# Altium PCB PCB1.PcbDoc (continued)
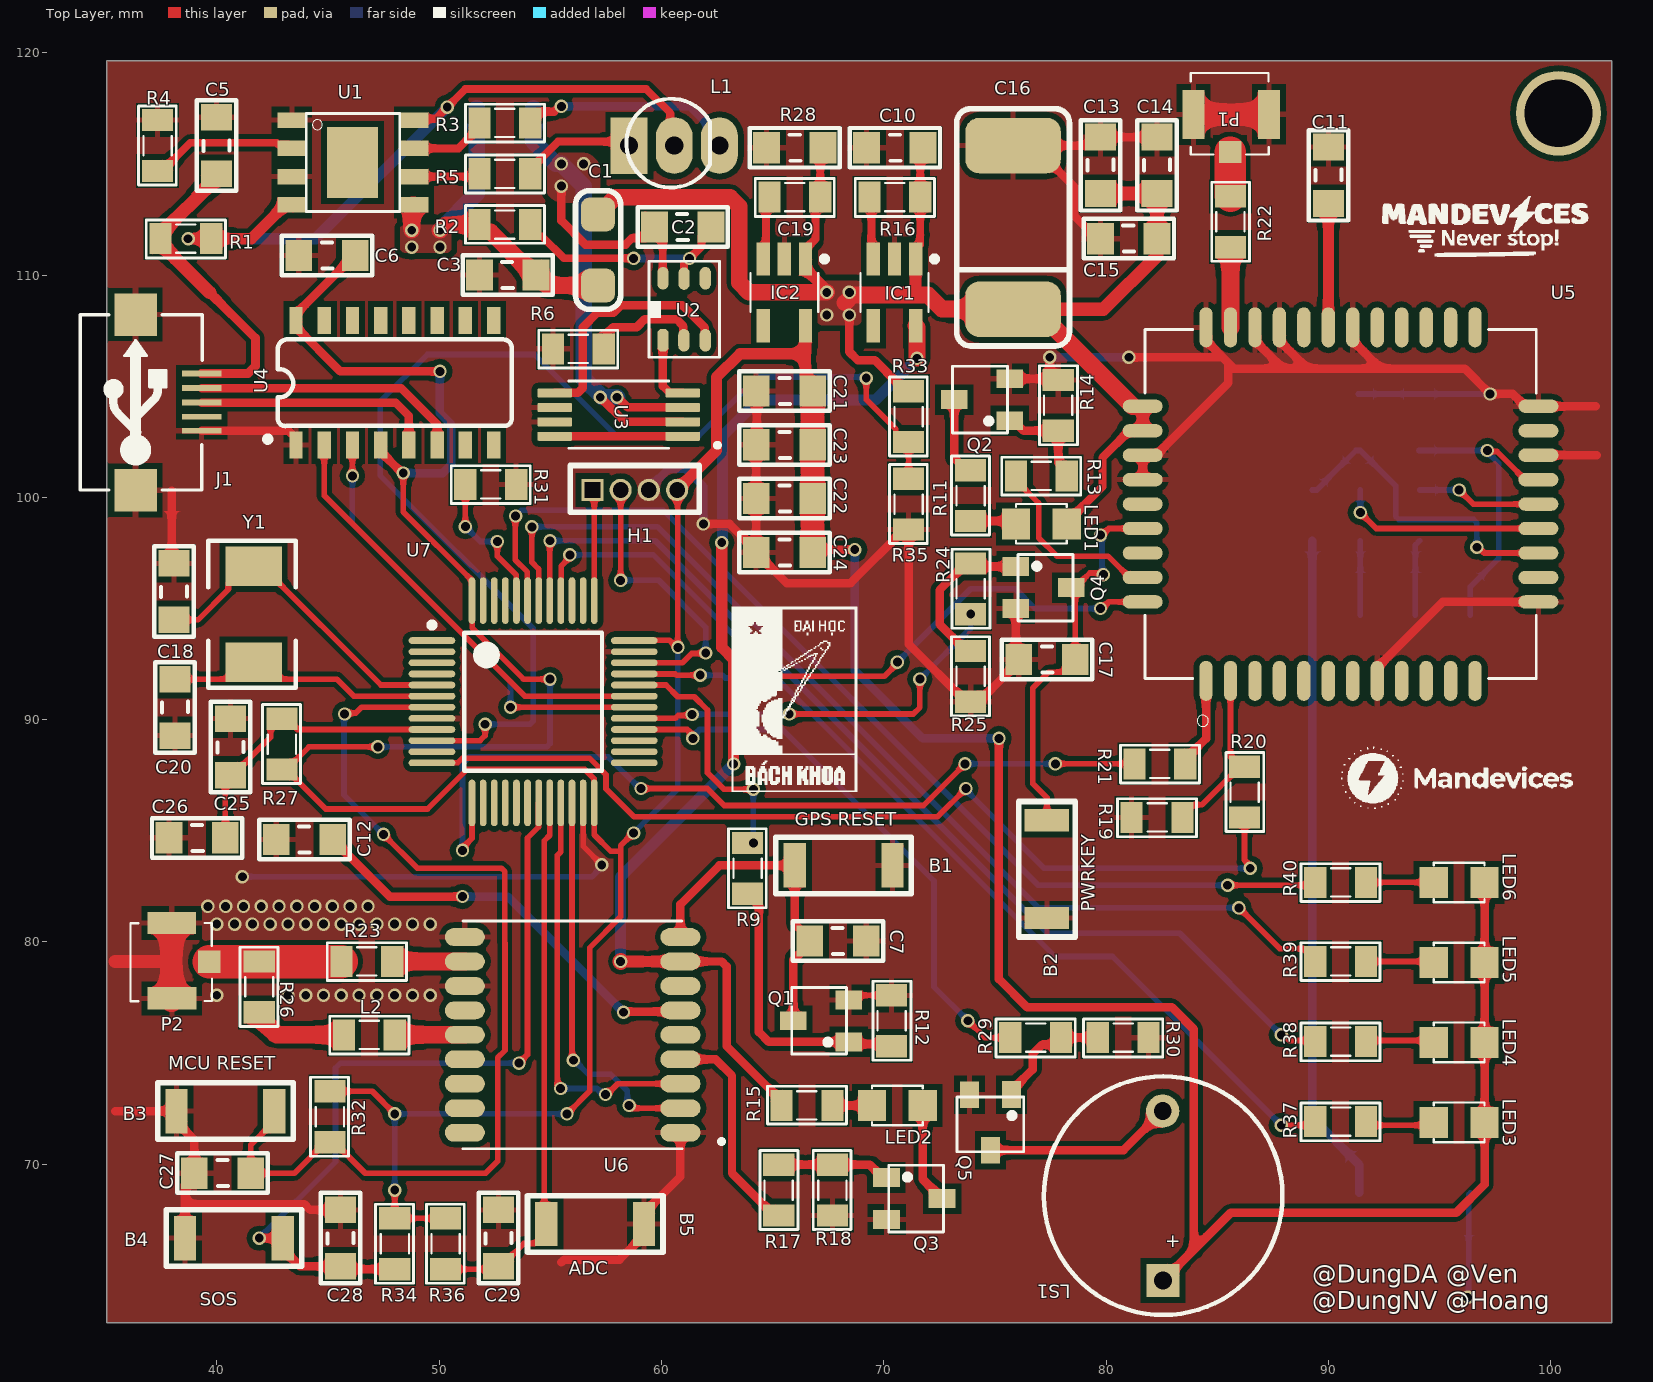
[diagram p0: Top Layer view]
## Footprints (in the part's own frame and the unit in brackets; to place one, negate y for a bottom-side part, rotate by r counter-clockwise, add the part's x,y. Pads: shape width x height; smd on the part's side, far side on the other; paste and mask are expansions set on the pad) (continued)
  rect 1.5x0.6 smd: 1(-1.5,0.95) 2(-1.5,0) 3(-1.5,-0.95) 4(1.5,-0.95) 5(1.5,0.95)
  silkscreen extent -1.62,-1.52 0.87,1.93, body extent -1.75,-1.52 1.75,1.53, height 1.45
SOT23-6 [mil]
  oct 40x20 smd: 1(-59.41,32.4)
  oval 40x20 smd: 2(-59.41,-4.6) 3(-59.41,-42.6) 4(50.59,-42.6) 5(50,-5) 6(50.59,32.4)
  silkscreen extent -89,-68 81,57, body extent -64,-64 54,54, height 51
SOT23D [mm] "SOT 23C - 1-3-2 - BCE"
  rect 0.85x1.2 smd: 1(-0.95,-1.25) 2(0.94,-1.245) 3(0,1.25)
  silkscreen extent -1.5,-1.14 1.5,1.32, body extent -1.5,-1.17 1.5,1.33, height 1.06
SPEAKER [mm]
  rect 1.5x1.5 hole 0.8: 1(0,0)
  round 1.5 hole 0.8: 2(7.62,0.013)
  silkscreen extent -1.55,-5.38 9.18,5.36, body extent -2.22,-6 13.24,6, height 4.5
"Thach Anh 2 chan SMD5032" [mil] "DO-214-AA/SMB; 2 C-Bend Leads; Body 5.3 x 3.6 mm, inc. leads (LxW)"
  rect 70x100 smd: 1(-85,0) 2(85,0)
  silkscreen extent -130,-75 130,80, body extent -98,-63 98,63, height 51
TP4056 [mm]
  rect 1.3x0.7 smd: 1(-2.75,1.905) 2(-2.75,0.635) 3(-2.75,-0.635) 4(-2.75,-1.905) 5(2.75,-1.905) 6(2.75,-0.635) 7(2.75,0.635) 8(2.75,1.905)
  rect 2.3x3.2 smd: GND(-0.025,0)
  silkscreen extent -2.1,-2.2 2.1,2.2, body extent -3.13,-2.45 2.87,2.45, height 1.75
USB-M1 [mil]
  rect 10x70 smd: 1(51.18,0) 2(25.59,0) 3(0,0) 4(-25.59,0) 5(-50,0)
  rect 74.8x74.8 smd: 5(-155.51,116.84) 5(155.51,116.84)
  silkscreen extent -155,-1 155,215, body extent -157,5 158,218, height 107
XCVR_L70-RL [mm]
  oval 1.8x0.8 smd paste-2: 1(-4.85,4.4) 2(-4.85,3.3) 3(-4.85,2.2) 4(-4.85,1.1) 5(-4.85,0) 6(-4.85,-1.1) 7(-4.85,-2.2) 8(-4.85,-3.3) 9(-4.85,-4.4) 10(4.85,-4.4) 11(4.85,-3.3) 12(4.85,-2.2) 13(4.85,-1.1) 14(4.85,0) 15(4.85,1.1) 16(4.85,2.2) 17(4.85,3.3) 18(4.85,4.4)
  silkscreen extent -6.8,-5.13 4.92,5.13, body extent -4.85,-5.05 4.85,5.05, height 2.52

## Part data
C1 C2 C3 C4 C5 C6 C7 C8 C9 C10 C11 C12 C13 C14 C15 C17 C18 C19 C20 C21 C22 C23 C24 C25 C26 C27 C28 C29: library part CapSMD, "Capacitor", LatestRevisionDate=17-Jul-2002, LatestRevisionNote="Re-released for DXP Platform.", PackageReference=RAD-0.3, Published=8-Jun-2000, Publisher="Altium Limited"
C16: library part CAP_TAN_SMD, "Polazied Tantalum Capacitor"
IC1 IC2: "RT9013-33GB IC REG LINEAR 3.3V 500mA SOT23-5"
J1: Manufacturer=FCI, Manufacturer Part Number=10118193-0001LF, Supplier Part Number 1=609-4616-1-ND, .Checked PCB=RF, .Checked SCH=MM, .Creator=MM, Category="Connectors, Interconnects", ComponentLink1Description=http://portal.fciconnect.com/Comergent//fci/drawing/10118193.pdf, ComponentLink1URL=http://portal.fciconnect.com/Comergent//fci/drawing/10118193.pdf, Connector Type="USB - micro B", Features="Shielded, Solder Retention", Gender=Receptacle, Ingress Protection=-, Mounting Type="Surface Mount, Right Angle, Horizontal", Number of Contacts=5, Packaging="Cut Tape (CT)", Pricing 1="1=0.46, 10=0.433, 25=0.3712, 50=0.3156, 100=0.3032, 250=0.27224, 500=0.25988 (USD)", RoHS="RoHS Compliant", Specifications="USB 2.0", Stock 1=28642, Supplier 1=Digi-Key
L1: library part "LED 3m 2 mau Anot chung", "C?m", Chung_Loai=C?m, Don_Vi=Con, Ma_Hang=MH005371, Ten_Linh_Kien="Led 3MM 2 M?u Anot Sáng Ð?c (5c)"
L2 R1 R2 R3 R4 R5 R6 R7 R8 R9 R10 R11 R12 R13 R14 R15 R16 R17 R18 R19 R20 R21 R22 R23 R24 R25 R26 R27 R28 R29 R30 R31 R32 R33 R34 R35 R36 R37 R38 R39 R40: library part "Resistor - SMD", "Resistor", Manufacturer="Generic Components", Class=Passive, Published=08/06/2000, Publisher="Altium Hobart Technology Centre"
LED1 LED2: "LED Single colour Green and Red"
LED3 LED4 LED5 LED6: library part LED, "LED Single colour Green and Red"
LS1: "Còi chíp 3V", LatestRevisionDate=17-Jul-2002, LatestRevisionNote="Re-released for DXP Platform.", PackageReference=PIN2, Published=24-Mar-1999, Publisher="Altium Limited"
P1 P2: library part IPXSx66, "Antenna GSM GPS"
Q1 Q2 Q3 Q4 Q5: library part 2SC1815, "NPN 600mW, ECB", =C2383
U1: "Complete single cell Li-Ion battery with a constant current / constant voltage linear charger"
U2: "One Cell Lithium-ion/Polymer Battery Protection IC"
U4: "USB to serial chip CH340", Package=Package, Availability=Unavailable, Check_prices=https://www.snapeda.com/parts/CH340C/WCH/view-part/5428851/?ref=eda, MF=WCH, MP=CH340C, Price=None, SnapEDA_Link=https://www.snapeda.com/parts/CH340C/WCH/view-part/5428851/?ref=snap
U5: "Module: GSM/Bluetooth; GPRS; 2G; 1800MHz, 900MHz; 85.6kbps; SMD", Package=None, Availability=Unavailable, MF=Simcom, MP=SIM800C, Price=None, SnapEDA_Link=https://www.snapeda.com/parts/SIM800C/SIMcom%20Wireless%20solutions%20Co.%2CLtd/view-part/571323/?ref=snap
U6: "L70-RL, a low cost ROM-based GPS module, brings the high performance of MTK positioning engine to industrial applications with its compact profile, ultra low power consumption and fast positioning capability", Package=None, Availability="Not in stock", Check_prices=https://www.snapeda.com/parts/L70-RL/Quectel/view-part/?ref=eda, MF=Quectel, MP=L70-RL, Price=None, SnapEDA_Link=https://www.snapeda.com/parts/L70-RL/Quectel/view-part/?ref=snap
U7: library part STM32F103C8T6, "STM32 ARM-based 32-bit MCU with 64 Kbytes Flash, 64-pin LQFP, Industrial Temperature"
Y1: library part "Thach Anh 2 chan SMD 5032", "Crystal For all Crystal 2pin."
SIM1: Ma_Hang=MH001823, Ten_LK="Socket SIM 6P SK06"

## Free pads (board coordinates)
  round 3.81 hole 3.048: 0(100.355,117.272)

## Via types
v1: diameter 0.6, hole 0.4, Top Layer to Bottom Layer, tented both sides, 123 vias

## Nets (pads, with @x,y where several pads share a name; then routed paths per layer and width w, separated by ;. In a path a pad name is that pad's centre, name@x,y a point inside that pad or via, vN(x,y) a via of type N, cw(c..) or ccw(c..) an arc to the next point about the centre after c; other vN are vias at no path point)
3V3: C6.2 C21.2 C22.2 C23.2 C24.2 H1.4 IC2.5 LED3.1 LED4.1 LED5.1 LED6.1 LS1.1 R27.2 R32.1 R34.1 R36.1 U4.4 U4.16 U7.24 U7.36 U7.48 | length 214.1
  Top Layer w0.254: R27.2 R27.2@43.124,87.757 ; R32.1 46.99,73.279 v1(48.006,72.263) ; v1(47.244,88.773) 44.14,88.773 R27.2@43.124,87.757 ; v1(48.006,68.834) R34.1 R36.1 ; v1(48.387,101.092) 48.387,99.347 51.479,96.255 U7.48 51.488,95.346 51.488,94.13 53.796,91.821 v1(54.991,91.821) ; v1(55.753,72.263) 56.769,73.279 56.769,79.733 58.166,81.13 58.166,84.328 58.736,84.898 v1(58.749,84.898) ; 58.122,84.074 57.726,84.074 56.979,84.821 U7.24 56.97,86.264 56.97,87.338 56.552,87.757 51.257,87.757 49.479,85.979 44.903,85.979 R27.2@43.124,87.757 ; U7.36 59.68,93.555 59.694,93.57 60.364,93.57 60.683,93.25 v1(60.75,93.25) 60.728,93.272 60.728,100.308 H1.4
  Top Layer w0.381: C6.2 46.228,110.771 45.818,110.361 45.666,110.361 43.561,108.256 U4.16 43.561,107.656 45.553,105.664 v1(50.038,105.664) ; U4.4 47.371,102.056 48.311,101.116 48.363,101.116 v1(48.387,101.092) ; C24.2 66.936,97.644 v1(68.7,97.644) ; v1(75.184,89.154) 75.184,78.328 76.453,77.059 82.961,77.059 83.947,76.073 83.947,66.154 ; LS1.1 83.947,66.154 ; LED6.1 LED5.1 LED4.1 LED3.1 97.028,69.088 95.758,67.818 85.611,67.818 83.947,66.154
  Top Layer w0.5: H1.4 62.484,102.108 62.484,105.41 63.532,106.458 66.482,106.458 ; IC2.5 66.482,106.458 ; C21.2@66.802,104.875 66.482,105.195 66.482,106.458
  Top Layer w0.75: C21.2 C21.2@66.802,104.875
  Top Layer w1: C24.2 C22.2 C23.2 C21.2
  Bottom Layer w0.254: v1(47.244,88.773) 54.842,88.773 54.991,88.922 v1(54.991,91.821) ; v1(48.006,68.834) v1(48.006,72.263) v1(55.753,72.263) ; v1(58.749,84.898) 60.739,86.889 60.739,93.239 v1(60.75,93.25)
  Bottom Layer w0.381: v1(48.387,101.092) 50.165,101.092 50.546,101.473 50.546,103.271 50.038,103.779 v1(50.038,105.664) ; v1(68.7,97.644) 68.707,97.637 68.707,92.202 71.755,89.154 v1(75.184,89.154)
3V3GPS: IC1.5 R15.2 U6.8 | length 49.8
  Top Layer w0.381: U6.8 62.713,79.119 62.937,78.896 62.937,75.311 65.405,72.842 R15.2
  Top Layer w0.5: v1@58.168,79.119 U6.8 ; v1(62.717,97.961) 62.717,93.247 63.25,92.714 v1(63.25,88)
  Top Layer w0.75: v1(58.166,79.121) v1@58.168,79.119 ; IC1.5 71.5,107.655 v1(71.5,106.25)
  Bottom Layer w0.5: v1(58.166,79.121) 58.166,82.916 v1(63.25,88) ; v1(62.717,97.961) 62.75,97.995 62.75,102.755 64.378,104.383 69.621,104.383 71.488,106.25 v1(71.5,106.25)
+5: C5.2 J1.1 R1.1 | length 14.1
  Top Layer w0.3: R1.1 R1.1@37.465,111.831 ; C5.2@39.88,114.246 39.88,114.554 C5.2
  Top Layer w0.4: J1.1@39.319,105.564 41.399,105.564 41.732,105.897 41.732,107.167 39.69,109.21
  Top Layer w0.6: R1.1 37.465,111.435 39.69,109.21 ; R1.1@37.465,111.831 C5.2@39.88,114.246
BOOT0: R31.1 U7.44 | length 6.6
  Top Layer w0.254: v1(51.181,98.679) R31.1 ; v1(52.621,98.009) 52.621,97.347 53.47,96.498 53.47,95.364 U7.44
  Bottom Layer w0.254: v1(51.181,98.679) 51.851,98.009 v1(52.621,98.009)
BUT_ADC: B5.19 C29.2 R36.2 U7.20 | length 24
  Top Layer w0.254: R36.2 52.553,65.278 C29.2 52.78,65.405 53.812,66.437 54.45,66.437 B5.19@54.823,66.81 ; B5.19 54.737,67.396 54.737,84.555 54.979,84.797 U7.20@54.979,85.979
BUT_SOS: B4.19 C28.2 R34.2 U7.19 | length 36.5
  Top Layer w0.254: v1(53.594,74.549) 53.975,74.93 53.975,84.676 54.47,85.172 54.47,86.246 U7.19
  Top Layer w0.381: v1(41.91,66.675) B4.19 42.967,66.175 43.737,65.405 C28.2 45.695,65.278 R34.2
  Bottom Layer w0.254: v1(41.91,66.675) 45.339,70.104 45.339,74.326 45.562,74.549 v1(53.594,74.549)
BUZZER: R29.1 U7.28 | length 26
  Top Layer w0.254: U7.28 61.167,89.555 61.417,89.305 v1(61.417,89.158) ; v1(73.787,76.454) 74.549,75.692 R29.1
  Bottom Layer w0.254: v1(61.417,89.158) 61.366,89.209 61.713,89.555 65.454,89.555 72.263,82.746 72.263,77.978 v1(73.787,76.454)
D_N: J1.2 U4.6 | length 12.2
  Top Layer w0.381: J1.2@39.319,104.896 48.307,104.896 49.911,103.292 U4.6
D_P: J1.3 U4.5 | length 10.9
  Top Layer w0.381: J1.3@39.319,104.261 48.044,104.261 48.641,103.664 U4.5
GND: B1.15 B2.15 B3.15 B4.15 B5.15 C3.2 C5.1 C6.1 C7.1 C8.2 C9.1 C10.1 C11.2 C12.2 C13.2 C14.2 C15.2 C16.2 C17.1 C18.1 C19.1 C20.1 C21.1 C22.1 C23.1 C24.1 C25.1 C26.1 C27.1 C28.1 C29.1 H1.3 IC1.2 IC2.2 J1.5 P1.2 P1.3 P2.2 P2.3 Q1.2 Q2.2 Q3.2 Q4.2 Q5.2 R4.1 R6.1 R12.2 R14.2 R18.2 R19.1 R25.2 R30.2 R31.2 R35.2 SIM1.1 U1.1 U1.3 U3.6 U3.7 U4.1 U5.8 U5.13 U5.19 U5.21 U5.27 U5.30 U5.31 U5.33 U5.36 U5.37 U6.1 U6.10 U6.12 U7.8 U7.23 U7.35 U7.47 | length 186.5
  Top Layer w0.25: U5.8 U5.8@92.201,92.345
  Top Layer w0.254: U7.23 56.479,84.307 v1(57.318,83.468) ; Q1.2 68.631,77.597 70.16,77.597 R12.2 ; B1.15@70.399,83.82 70.399,83.939 B1.15@70.772,84.312 ; B2.15 77.843,81.071 B2.15@78.216,81.444
  Top Layer w0.35: C19.1@64.389,115.663 64.389,115.763 C19.1@64.389,115.863 ; IC2.2@65.425,110.613 IC2.2 ; C10.1@69.23,115.625 C10.1 C10.1@69.23,115.825 ; IC1.2@70.36,110.595 IC1.2 ; C16.2@76.719,115.824 78.584,113.959 78.584,112.651 79.629,111.606 C15.2@79.629,111.506
  Top Layer w0.381: 35.433,72.39 B3.15 38.186,71.89 38.989,71.087 C27.1 38.989,69.496 38.567,69.074 38.567,68.199 ; 37.973,100.304 37.973,97.13 C18.1 ; B4.15 38.567,68.199 ; J1.5@39.319,102.994 43.223,102.994 43.561,102.656 U4.1 ; C28.1 44.196,67.945 43.942,68.199 38.567,68.199 ; C29.1 C29.1@52.78,67.945 ; 55.499,65.581 55.626,65.708 58.121,65.708 59.223,66.81 B5.15 59.223,67.81 60.857,69.444 U6.1 U6.1@61.357,71.419 ; v1(61.886,98.806) 63.067,98.806 C24.1@64.262,97.611 ; C21.1 64.29,104.747 64.29,102.39 C23.1 C22.1 C24.1@64.262,97.611 ; R18.2@67.493,67.691 R18.2 R18.2@67.889,67.691 ; Q5.2 Q5.2@73.863,73.302 ; Q2.2 R14.2@77.729,105.334 ; C16.2 76.719,115.824 79.629,115.824 80.01,116.205 C14.2 ; Q4.2 75.946,92.837 C17.1 76.073,92.61 74.578,91.115 74.224,91.115 74.013,90.904 R25.2 73.716,90.805 71.12,93.401 R35.2 70.922,98.552 68.508,96.139 65.634,96.139 64.772,97.001 64.672,97.001 64.262,97.411 C24.1 C24.1@64.262,97.611 ; B2.15@76.533,80.761 76.843,81.071 B2.15 ; v1(77.47,106.299) 77.47,105.592 R14.2@77.729,105.334 ; R14.2 R14.2@77.838,105.296 ; v1(81.026,106.299) 85.247,106.299 ; U5.37 U5.36 82.251,101.895 85.501,105.145 85.501,106.045 ; R30.2@81.915,75.494 R30.2 ; U5.33 84.501,107.045 85.247,106.299 ; U5.31 86.701,107.045 87.955,105.791 ; U5.30 87.801,107.045 89.055,105.791 ; U5.27 91.101,107.045 92.355,105.791 ; U5.8@92.201,92.345 95.151,95.295 U5.13 ; U5.19 102.067,101.895 ; 102.026,104.095 U5.21 98.851,104.095 98.298,104.648 v1(97.282,104.648) 96.139,105.791 92.355,105.791 ; R14.2@77.729,105.334 77.8,105.334 R14.2@77.838,105.296 ; R14.2@77.729,105.334 77.766,105.296 R14.2@77.838,105.296 ; 85.247,106.299 85.501,106.045 ; 85.501,106.045 85.755,105.791 87.955,105.791 ; 87.955,105.791 89.055,105.791 ; 89.055,105.791 92.355,105.791
  Top Layer w0.6: 35.433,79.121 37.876,79.121 37.965,79.032 37.968,79.03
  Top Layer w1: 37.965,79.032 P2.3@37.965,80.724 ; P2.2@37.968,77.338 37.968,79.03 ; P1.2 87.328,117.224 P1.3
  Bottom Layer w0.25: C9.1 C8.2 v1(97.282,104.648)
  Bottom Layer w0.254: v1(41.148,82.931) 56.878,82.931 57.318,83.371 v1(57.318,83.468) ; v1(96.266,64.008) 96.315,64.057 96.315,68.629 SIM1.1
  Bottom Layer w0.381: H1.3 59.436,100.396 60.315,101.275 61.097,101.275 61.886,100.486 v1(61.886,98.806) ; v1(77.47,106.299) v1(81.026,106.299)
  other v1: 40,77.6 43.2,77.6 44,77.6 44.8,77.6 45.6,77.6 46.4,77.6 47.2,77.6 48,77.6 48.8,77.6 49.6,77.6 40,80.8 40.8,80.8 41.6,80.8 42.4,80.8 43.2,80.8 44,80.8 44.8,80.8 45.6,80.8 46.4,80.8 47.2,80.8 48,80.8 48.8,80.8 49.6,80.8 39.6,81.6 40.4,81.6 41.2,81.6 42,81.6 42.8,81.6 43.6,81.6 44.4,81.6 45.2,81.6 46,81.6 46.8,81.6
GPS_RESET: B1.19 C7.2 Q1.3 U6.9 | length 14.9
  Top Layer w0.381: U6.9 60.857,81.685 62.611,83.439 B1.19 65.999,80.811 66.675,80.135 66.675,79.935 65.933,79.193 Q1.3
LIPO_ADC: R33.2 R35.1 U7.10 | length 53.2
  Top Layer w0.254: U7.10 51.844,89.055 52.07,89.281 v1(52.07,89.789) ; v1(69.215,105.362) 69.215,104.394 70.549,103.061 70.549,102.862 70.922,102.489 R33.2 R35.1
  Bottom Layer w0.254: v1(52.07,89.789) 54.08,89.789 54.229,89.938 54.229,94.107 47.349,100.987 47.349,104.305 49.47,106.426 54.296,106.426 57.972,102.75 61.676,102.75 64.336,105.41 69.167,105.41 v1(69.215,105.362)
LIPO_BATTERY: C1.2 C10.2 C13.1 C14.1 C15.1 C16.1 C19.2 IC1.1 IC2.1 LED1.1 R16.2 R28.2 R33.1 U5.34 U5.35 | length 67.6
  Top Layer w0.35: IC2.1@66.482,110.27 IC2.1 66.482,111.17 66.929,111.617 66.929,113.286 R28.2 67.143,115.598 C19.2 ; C19.2@66.929,115.763 C19.2@67.056,115.89 ; v1@67.408,109.249 v1@67.408,109.344 ; IC1.1 71.435,111.17 71.643,111.378 R16.2 71.643,115.598 C10.2 ; C16.1 C16.1@76.838,108.458
  Top Layer w0.381: v1(68.453,108.204) 68.453,106.547 68.828,106.172 69.596,106.172 70.612,105.156 70.612,105.085 70.922,104.775 R33.1 ; LED1.1 78.232,98.87 79.843,100.48 79.843,101.787 81.051,102.995 U5.35
  Top Layer w0.5: IC2.1@66.482,110.27 v1@67.408,109.344 ; 71.435,109.099 IC1.1
  Top Layer w0.508: U5.35 U5.34
  Top Layer w0.6: C16.1@76.838,108.458 79.883,108.458 82.296,110.871 C15.1 C14.1 C13.1
  Top Layer w0.75: C1.2 57.92,113.495 63.091,113.495 63.501,113.085 63.501,109.659 63.94,109.22 v1(67.437,109.22) ; 68.25,108.75 68.599,109.099 71.435,109.099 71.996,109.099 72.62,108.474 75.803,108.474 C16.1
  Top Layer w0.8: C16.1@76.838,108.458 U5.34@81.201,104.095
  other v1: 67.437,108.204 68.453,109.22
LIPO_CHARGER: C1.1 C3.1 C4.1 R2.2 U1.5 | length 15.6
  Top Layer w0.75: v1(48.768,112.014) 48.768,113.132 48.793,113.157 U1.5 ; v1(50.038,112.014) 50.292,112.268 R2.2 ; R2.2@51.941,111.945 52.319,111.945 53.931,110.332 54.131,110.332 54.356,110.107 54.356,109.907 54.581,109.682 54.681,109.682 54.838,109.525 C1.1
  Bottom Layer w0.75: v1(50.038,112.014) 51.689,113.665 C4.1
  other v1: 48.768,111.252 50.038,111.252
MCU_LED1: R37.1 U7.40 | length 46.4
  Top Layer w0.254: U7.40 55.479,96.267 55.488,96.276 55.488,96.896 55.88,97.288 v1(55.88,97.409) ; v1(87.884,71.755) R37.1@89.408,71.755
  Bottom Layer w0.254: v1(55.88,97.409) 59.641,97.409 77.705,79.345 80.294,79.345 v1(87.884,71.755)
MCU_LED2: R38.1 U7.41 | length 46.4
  Top Layer w0.254: U7.41 54.979,98.032 v1(54.991,98.044) ; v1(87.884,75.819) 88.002,75.819 88.256,75.565 R38.1@89.408,75.565
  Bottom Layer w0.254: v1(54.991,98.044) 59.724,98.044 77.381,80.387 83.316,80.387 v1(87.884,75.819)
MCU_LED3: R39.1 U7.42 | length 46.9
  Top Layer w0.254: v1(54.174,98.672) 54.174,97.078 54.479,96.773 U7.42 ; v1(85.979,81.534) 87.82,79.692 89.035,79.692 89.408,79.319 R39.1
  Bottom Layer w0.254: v1(54.174,98.672) 54.177,98.675 59.825,98.675 76.966,81.534 v1(85.979,81.534)
MCU_LED4: R40.1 U7.43 | length 47.1
  Top Layer w0.254: v1(53.442,99.162) 53.425,99.145 53.425,97.185 53.97,96.64 53.97,95.364 U7.43 ; v1(85.471,82.55) 89.281,82.55 R40.1
  Bottom Layer w0.254: v1(53.442,99.162) 53.69,99.41 60.09,99.41 76.95,82.55 v1(85.471,82.55)
MCU_RESET: B3.19 C27.2 R32.2 U7.7 | length 45.3
  Top Layer w0.254: B3.19 42.586,71.89 42.276,71.58 42.242,71.58 41.529,70.868 C27.2 43.489,69.596 44.887,70.993 R32.2 45.283,70.993 46.681,69.596 52.095,69.596 52.632,70.133 52.632,74.79 52.965,75.123 52.965,79.939 52.959,79.945 52.959,83.163 52.81,83.312 49.022,83.312 v1(47.498,84.836) ; v1(45.75,90.25) 45.797,90.297 46.25,90.297 46.508,90.555 U7.7
  Bottom Layer w0.254: v1(45.75,90.25) 45.72,90.22 45.72,86.614 v1(47.498,84.836)
NetC2_1: C2.1 R2.1 U2.5 | length 10.7
  Top Layer w0.35: R2.1 54.102,112.07 54.427,111.745 54.626,111.745 55.62,110.75 v1(58.75,110.75) ; U2.5 61.021,110.5 v1(61.265,110.744) 61.805,111.284 61.805,111.741 C2.1
  Bottom Layer w0.35: v1(58.75,110.75) 58.756,110.744 v1(61.265,110.744)
NetC2_2: C2.2 C4.2 U2.6 U3.2 U3.3 | length 32.1
  Top Layer w0.35: C2.2@59.874,111.983 60.058,111.799 60.058,109.868 U2.6
  Top Layer w0.381: v1(55.5,114) 55.5,112.446 56.576,111.37 58.387,111.37 58.675,111.657 59.28,111.657 59.69,112.066 C2.2 ; v1(57.25,104.5) 58.357,103.393 U3.2 ; v1(58,104.5) 58.032,104.5 58.489,104.043 U3.3 ; C2.2@59.28,112.676 59.874,112.083 C2.2@59.874,111.983
  Bottom Layer w0.75: C4.2 54.229,116.021 55.25,115 v1(55.5,115) 56.5,114 56.5,105.347 57.347,104.5 v1(58,104.5)
  other v1: 56.5,115
NetC11_1: C11.1 U5.28 | length 6.3
  Top Layer w0.254: C11.1 90.451,113.665 C11.1@90.551,113.665
  Top Layer w0.5: U5.28 C11.1
NetC12_1: C12.1 U6.6 | length 19
  Top Layer w0.381: C12.1 45.212,84.507 45.622,84.098 45.722,84.098 47.777,82.042 v1(51.054,82.042) ; v1(58.293,76.835) 58.317,76.859 60.797,76.859 U6.6
  Bottom Layer w0.381: v1(51.054,82.042) 53.086,82.042 v1(58.293,76.835)
NetIC1_3: IC1.3 R16.1 | length 2.9
  Top Layer w0.35: R16.1 69.446,113.411 69.446,110.809 IC1.3
NetIC2_3: IC2.3 R28.1 | length 3.1
  Top Layer w0.35: IC2.3 64.707,110.845 64.707,113.35 R28.1 ; R28.1@64.603,113.302 R28.1@64.603,113.5
NetL1_1: L1.1 R5.2 | length 5.2
  Top Layer w0.35: R5.2 54.102,114.752 55.349,116 58.371,116 L1.1
NetL1_2: L1.2 R1.2 U1.4 U1.8 | length 33.5
  Top Layer w0.35: U1.8 48.939,117.029 49.846,117.029 v1(50.368,117.551) 51.181,118.364 59.322,118.364 60.393,117.292 60.393,116.01 L1.2
  Top Layer w0.5: v1(38.71,111.633) R1.2 41.552,111.633 U1.4@43.076,113.157
  Top Layer w0.6: U1.4@43.076,113.157 U1.4
  Bottom Layer w0.5: v1(38.71,111.633) 44.45,111.633 v1(50.368,117.551)
NetL1_3: L1.3 R3.2 | length 9.9
  Top Layer w0.381: R3.2 54.102,117.038 54.411,117.348 55.176,117.348 55.413,117.585 v1(55.499,117.585)
  Bottom Layer w0.381: v1(55.499,117.585) 61.295,117.585 62.611,116.268 L1.3
NetL2_1: L2.1 R26.2 | length 4.1
  Top Layer w0.8: R26.2@41.91,76.607 42.698,75.819 L2.1
NetLED1_2: LED1.2 R11.2 | length 2.1
  Top Layer w0.254: LED1.2@75.819,98.933 LED1.2
  Top Layer w0.381: R11.2 LED1.2@75.819,98.933
NetLED2_1: LED2.1 R15.1 | length 1.8
  Top Layer w0.381: R15.1 LED2.1
NetLED2_2: LED2.2 Q3.3 | length 4.8
  Top Layer w0.381: LED2.2 71.755,69.322 72.215,68.863 72.215,68.688 72.449,68.453 Q3.3 Q3.3@72.517,68.56
NetLED3_2: LED3.2 R37.2 | length 3.1
  Top Layer w0.254: R37.2@91.694,71.755 94.615,71.755 LED3.2
NetLED4_2: LED4.2 R38.2 | length 3.1
  Top Layer w0.254: R38.2@91.694,75.565 94.657,75.565 LED4.2
NetLED5_2: LED5.2 R39.2 | length 3.1
  Top Layer w0.254: R39.2 94.7,79.121 LED5.2
NetLED6_2: LED6.2 R40.2 | length 3
  Top Layer w0.254: R40.2 LED6.2
NETLIGHT: R13.1 U5.41 | length 8.6
  Top Layer w0.254: R13.1 75.946,100.767 76.971,99.741 76.971,98.181 77.797,97.355 80.091,97.355 81.051,96.395 U5.41
NetLS1_2: LS1.2 Q5.3 | length 8.5
  Top Layer w0.381: Q5.3 80.792,70.632 LS1.2
NetP1_1: P1.1 R22.2 | length 2
  Top Layer w1.4: P1.1 85.588,113.548 R22.2
NetP2_1: P2.1 R23.1 R26.1 | length 5.9
  Top Layer w1.5: P2.1 45.595,79.109 R23.1
NetQ1_1: Q1.1 R9.2 R12.1 | length 12.8
  Top Layer w0.381: R9.2 64.079,82.169 64.389,81.86 64.389,75.946 64.831,75.504 Q1.1 68.53,75.407 70.261,75.407 R12.1
NetQ2_1: Q2.1 R13.2 R14.1 | length 4.6
  Top Layer w0.381: Q2.1 75.847,103.444 76.294,102.997 R14.1 77.851,101.544 78.232,101.163 R13.2
NetQ2_3: Q2.3 R11.1 | length 3.6
  Top Layer w0.381: Q2.3 73.172,101.763 73.716,101.219 R11.1
NetQ3_1: Q3.1 R17.2 R18.1 | length 5.5
  Top Layer w0.381: R17.2 R18.1 ; R18.1@68.001,69.668 R18.1 ; Q3.1 69.949,69.403 69.375,69.977 R18.1
NetQ4_1: Q4.1 R24.2 R25.1 | length 7.4
  Top Layer w0.254: R24.2 R24.2@74.056,96.886
  Top Layer w0.381: R25.1 73.716,93.091 72.517,94.29 72.517,95.829 73.716,97.028 R24.2 ; R24.2@74.056,96.886 Q4.1
NetQ5_1: Q5.1 R29.2 R30.1 | length 5.4
  Top Layer w0.381: Q5.1 75.753,73.307 76.701,74.255 76.701,74.95 77.13,75.379 77.668,75.379 77.978,75.688 R29.2 R30.1
NetR3_1: R3.1 U1.7 | length 3.5
  Top Layer w0.35: U1.7 50.871,115.697 51.816,116.642 R3.1
NetR4_2: R4.2 U1.2 | length 6.7
  Top Layer w0.35: R4.2 37.536,114.681 37.861,115.006 38.806,115.951 42.696,115.951 42.775,115.872 43.201,115.872 U1.2
NetR5_1: R5.1 U1.6 | length 3
  Top Layer w0.35: U1.6 51.689,114.427 R5.1
NetR6_2: R6.2 U2.2 | length 5.2
  Top Layer w0.381: R6.2 57.531,106.807 57.531,107.346 57.838,107.653 58.893,107.653 59.254,108.013 60.678,108.013 60.96,107.731 60.96,107.696 60.986,107.67 60.986,107.085 U2.2
NetR7_1: R7.1 SIM1.6 | length 3.3
  Bottom Layer w0.254: SIM1.6 R7.1
NetR8_1: R8.1 SIM1.5 | length 30.2
  Bottom Layer w0.381: R8.1 89.281,72.089 91.393,69.977 SIM1.5
NetR9_1: R9.1 U7.32 | length 11.5
  Top Layer w0.254: U7.32 60.21,91.555 60.737,91.028 61.479,91.028 62.072,90.435 62.072,87.608 62.812,86.868 v1(64.135,86.868) ; v1(64.135,84.455) R9.1@64.262,84.455
  Bottom Layer w0.254: v1(64.135,84.455) v1(64.135,86.868)
NetR10_1: R10.1 SIM1.4 | length 3.4
  Bottom Layer w0.254: SIM1.4 93.916,97.853 R10.1
NetR19_2: R19.2 R20.2 U5.2 | length 7.9
  Top Layer w0.254: R19.2 83.439,85.796 83.812,86.169 84.32,86.169 R20.2@86.035,87.884 ; U5.2 85.601,88.317 R20.2@86.035,87.884 ; R20.2 R20.2@86.035,87.884
NetR20_1: R20.1 U7.12 | length 43.1
  Top Layer w0.254: U7.12 50.591,88.055 50.6,88.064 50.846,88.064 51.047,88.265 56.762,88.265 57.51,87.517 57.51,86.889 58.77,85.629 72.421,85.629 v1(73.694,86.902) ; R20.1@86.035,85.598 R20.1 86.233,83.687 86.487,83.433 v1(86.487,83.312) v1@86.536,83.361
  Bottom Layer w0.254: v1(73.694,86.902) 73.694,86.834 77.216,83.312 v1(86.487,83.312)
NetR21_1: R21.1 U7.13 | length 38.2
  Top Layer w0.254: v1(51.054,84.116) 51.054,84.237 51.479,84.662 U7.13 ; v1(59.086,86.899) 62.063,86.899 62.824,86.137 71.786,86.137 v1(73.66,88.011) ; v1(77.724,88.011) R21.1
  Bottom Layer w0.254: v1(51.054,84.116) 51.054,88.011 51.362,88.319 57.604,88.319 59.024,86.899 v1(59.086,86.899) ; v1(73.66,88.011) v1(77.724,88.011)
NetR21_2: R21.2 U5.1 | length 4.1
  Top Layer w0.381: R21.2 83.566,88.209 84.501,89.145 U5.1
NetR22_1: R22.1 U5.32 | length 3.6
  Top Layer w0.8: R22.1 85.6,111.25 85.6,107.646 U5.32
NetR24_1: R24.1 U7.29 | length 18.2
  Top Layer w0.254: U7.29 60.623,90.055 60.754,90.186 61.334,90.186 v1(61.381,90.233) ; v1(65.75,90.25) 71.327,90.25 71.628,90.551 v1(71.628,91.821)
  Bottom Layer w0.254: v1(61.381,90.233) 61.389,90.242 65.742,90.242 v1(65.75,90.25) ; v1(71.628,91.821) 73.914,94.107 v1(73.914,94.742)
NetU2_1: U2.1 U3.4 | length 3.1
  Top Layer w0.381: U2.1 60.071,105.002 60.38,104.693 U3.4
NetU2_3: U2.3 U3.5 | length 11
  Top Layer w0.381: U3.5 56.236,104.693 56.459,104.916 56.459,107.64 57.11,108.291 57.845,108.291 58.203,108.648 60.941,108.648 61.952,107.638 61.952,107.085 U2.3
NetU3_1: U3.1 U3.8 | length 5.8
  Top Layer w0.381: U3.8 U3.1
NetU4_2: U4.2 U7.31 | length 20
  Top Layer w0.254: U4.2 44.831,100.076 53.852,91.055 U7.31
NetU4_3: U4.3 U7.30 | length 20.3
  Top Layer w0.254: v1(46.101,100.965) U4.3 ; v1(53.209,90.555) U7.30
  Bottom Layer w0.254: v1(46.101,100.965) 46.101,98.806 53.209,91.698 v1(53.209,90.555)
NetU5_42: U5.42 U7.33 | length 25.1
  Top Layer w0.254: U7.33 60.623,92.055 60.678,92 v1(61.75,92) ; v1(64.178,91.864) 64.262,91.948 70.034,91.948 70.612,92.526 v1(70.612,92.583) ; v1(79.756,94.996) 79.825,94.996 80.124,95.295 U5.42
  Bottom Layer w0.254: v1(61.75,92) 62.751,92 62.88,91.871 64.172,91.871 v1(64.178,91.864) ; v1(70.612,92.583) 73.914,95.885 75.917,95.885 76.806,94.996 v1(79.756,94.996)
NetU6_2: U6.2 U7.22 | length 17.7
  Top Layer w0.254: U7.22 55.979,74.735 v1(56.038,74.676) ; v1(58.547,72.644) 58.616,72.644 58.741,72.519 U6.2
  Bottom Layer w0.254: v1(56.038,74.676) 56.089,74.676 56.724,74.041 57.726,74.041 58.462,73.306 58.462,72.729 v1(58.547,72.644)
NetU6_3: U6.3 U7.21 | length 18.7
  Top Layer w0.254: v1(55.468,73.406) 55.468,73.473 55.321,73.619 55.321,83.896 55.479,84.054 U7.21 ; v1(57.486,73.136) 57.553,73.136 58.036,73.619 U6.3
  Bottom Layer w0.254: v1(55.468,73.406) 57.095,73.406 57.365,73.136 v1(57.486,73.136)
OSC_IN: C18.2 U7.5 Y1.2 | length 15
  Top Layer w0.254: C18.2 39.156,94.488 40.513,95.845 40.513,96.139 41.275,96.901 Y1.2 42.037,96.901 47.383,91.555 U7.5
OSC_OUT: C20.2 U7.6 Y1.1 | length 12.5
  Top Layer w0.254: C20.2 40.894,91.821 Y1.1 42.418,91.821 45.395,91.821 46.161,91.055 U7.6
PWRKEY: B2.19 C17.2 Q4.3 U5.39 | length 17.6
  Top Layer w0.254: B2.19 77.343,86.487 76.708,87.122 76.708,91.418 77.427,92.137 78.14,92.137 78.613,92.61 C17.2 78.613,95.763 Q4.3 78.616,95.936 79.273,96.593 79.81,96.593 v1(79.883,96.52) ; v1(79.756,98.298) 79.825,98.298 80.122,98.595 U5.39
  Bottom Layer w0.254: v1(79.756,98.298) 79.819,98.234 79.819,96.584 v1(79.883,96.52)
RF_IN: R23.2 U6.11 | length 3.3
  Top Layer w0.8: R23.2 50.655,79.121 50.657,79.119 U6.11
SIM_CLK: R7.2 U5.16 | length 9.3
  Top Layer w0.254: v1(91.44,99.314) 92.159,98.595 U5.16
  Bottom Layer w0.254: v1(91.44,99.314) R7.2
SIM_DATA: C9.2 R8.2 U5.15 | length 14.3
  Top Layer w0.254: v1(96.685,97.752) 96.754,97.752 97.011,97.495 U5.15
  Bottom Layer w0.254: R8.2 89.479,100.33 89.852,100.703 89.852,100.722 91.238,102.108 C9.2 91.438,102.108 93.027,100.519 93.027,99.149 93.176,99 96.536,99 96.685,98.851 v1(96.685,97.752)
SIM_RST: R10.2 U5.17 | length 5.6
  Top Layer w0.254: v1(95.885,100.33) 96.52,99.695 U5.17
  Bottom Layer w0.254: R10.2 v1(95.885,100.33)
SIM_VDD: C8.1 SIM1.2 U5.18 | length 14.1
  Top Layer w0.25: v1(97.155,102.108) 97.204,102.059 97.587,102.059 ; U5.18@98.851,100.795 U5.18
  Top Layer w0.254: 97.587,102.059 U5.18@98.851,100.795
  Bottom Layer w0.254: C8.1 v1(97.155,102.108) 97.155,102.039 97.663,101.531 97.663,97.247 96.393,95.977 SIM1.2
SWCLK: H1.1 U7.37 | length 5
  Top Layer w0.254: H1.1 56.979,100.247 U7.37
SWDIO: H1.2 U7.34 | length 13.3
  Top Layer w0.254: v1(58.166,96.266) H1.2 ; U7.34 60.947,92.555 61.365,92.973 61.969,92.973 v1(61.996,93)
  Bottom Layer w0.254: v1(58.166,96.266) 59.88,96.266 61.996,94.151 v1(61.996,93)
TIMEPLUSE: R17.1 U6.4 | length 9.9
  Top Layer w0.381: U6.4 62.441,74.719 63.175,73.985 63.175,69.595 65.08,67.691 R17.1
VCC_RF: L2.2 U6.14 | length 3.2
  Top Layer w0.8: L2.2 U6.14
VDDA: C25.2 C26.2 R27.1 U7.9 | length 13.5
  Top Layer w0.254: C26.2 40.386,87.274 C25.2 40.715,87.503 42.418,89.206 42.418,89.734 42.728,90.043 43.124,90.043 43.613,89.555 U7.9
pads on no net: IC1.4 IC2.4 J1.4 SIM1.3 U1.GND U2.4 U4.7 U4.8 U4.9 U4.10 U4.11 U4.12 U4.13 U4.14 U4.15 U5.3 U5.4 U5.5 U5.6 U5.7 U5.9 U5.10 U5.11 U5.12 U5.14 U5.20 U5.22 U5.23 U5.24 U5.25 U5.26 U5.29 U5.38 U5.40 U6.5 U6.7 U6.13 U6.15 U6.16 U6.17 U6.18 U7.1 U7.2 U7.3 U7.4 U7.11 U7.14 U7.15 U7.16 U7.17 U7.18 U7.25 U7.26 U7.27 U7.38 U7.39 U7.45 U7.46

## Polygon pours and split planes (outlines as drawn)
GND on Bottom Layer "GND_L02_P017" (solid, pour order 17): 35,119.75 102.75,119.75 102.75,62.75 35,62.75
LIPO_CHARGER on Bottom Layer "LIPO_CHARGER_L02_P011" (solid, pour order 11): 48.25,111.25 ccw(c48.5,111.25) 48.5,111 50.25,111 ccw(c50.25,111.25) 50.5,111.25 50.5,112.25 ccw(c50.25,112.25) 50.25,112.5 48.5,112.5 ccw(c48.5,112.25) 48.25,112.25
NetC2_2 on Bottom Layer "NETC2_2_L02_P006" (solid, pour order 6): 56.5,115.5 cw(c56.5,114.896) 56.927,115.323 57.073,115.177 cw(c56.646,114.75) 57.25,114.75 57.25,114 cw(c56.646,114) 57.073,113.573 56.927,113.427 cw(c56.5,113.854) 56.5,113.25 55.5,113.25 cw(c55.5,113.854) 55.073,113.427 55,113.5 cw(c55.604,114.104) 54.75,114.104 54.75,115 55.25,115.5
LIPO_BATTERY on Bottom Layer "LIPO_BATTERY_L02_P000" (solid, pour order 0): 67.31,109.728 68.58,109.728 cw(c68.58,109.421) 68.797,109.638 68.961,109.474 68.961,108.077 cw(c68.654,108.077) 68.871,107.86 68.834,107.823 67.31,107.823 cw(c67.31,108.13) 67.093,107.913 67.056,107.95 67.056,109.601 67.093,109.638 cw(c67.31,109.421)
GND on Top Layer "GND_L01_P016" (solid, pour order 16): 35.052,119.634 35.052,62.865 102.743,62.865 102.743,119.634
NetC2_2 on Top Layer "NETC2_2_L01_P008" (solid, pour order 8): 56.5,115.5 cw(c56.5,114.896) 56.927,115.323 57.073,115.177 cw(c56.646,114.75) 57.25,114.75 57.25,114.104 cw(c56.396,114.104) 57,113.5 cw(c56.396,114.104) 56.396,113.25 55.604,113.25 cw(c55.604,114.104) 55,113.5 cw(c55.604,114.104) 54.75,114.104 54.75,114.5 cw(c55.957,114.5) 55.104,115.354 55.25,115.5
LIPO_BATTERY on Top Layer "LIPO_BATTERY_L01_P013" (solid, pour order 13): 67,109.25 cw(c67.5,109.25) 67.5,109.75 68.75,109.75 cw(c68.75,109.5) 69,109.5 69,108 cw(c68.75,108) 68.75,107.75 67.25,107.75 cw(c67.25,108) 67,108
LIPO_CHARGER on Top Layer "LIPO_CHARGER_L01_P001" (solid, pour order 1): 48.537,112.269 ccw(c48.54,111.898) 48.26,112.141 48.26,111.125 48.297,111.088 ccw(c48.514,111.305) 48.514,110.998 50.292,110.998 ccw(c50.292,111.305) 50.509,111.088 50.546,111.125 50.546,112.141 ccw(c50.266,111.898) 50.266,112.269

## Silkscreen, mask and mechanical layers (free items; w line width, h text height)
Top Overlay:
  drawing of 2249 lines, arcs and shapes, not listed
  text "@DungDA @Ven / @DungNV @Hoang" at 89.281,63.475 h0.8
Bottom Overlay:
  text "+" at 51.333,115.291 h0.6
Mechanical 13:
  the board outline again, w0.254

## Text inside footprints (layer, text, board x,y; h text height)
B1: Top Overlay "GPS RESET" at 65.999,85.228 h0.6
B2: Top Overlay "PWRKEY" at 79.502,81.356 h0.6 r90
B3: Top Overlay "MCU RESET" at 37.821,74.244 h0.6
B4: Top Overlay "SOS" at 39.243,63.627 h0.6
B5: Top Overlay "ADC" at 55.839,65.035 h0.6
LS1: Top Overlay "+" at 83.274,66.18 h0.6 r90
SIM1: Bottom Overlay "<<Lock" at 82.474,78.105 h0.6 r270; Bottom Overlay "Open>>" at 81.102,78.232 h0.6 r270